# Altium PCB HV Interface.PcbDoc (part 1 of 3) (continued)
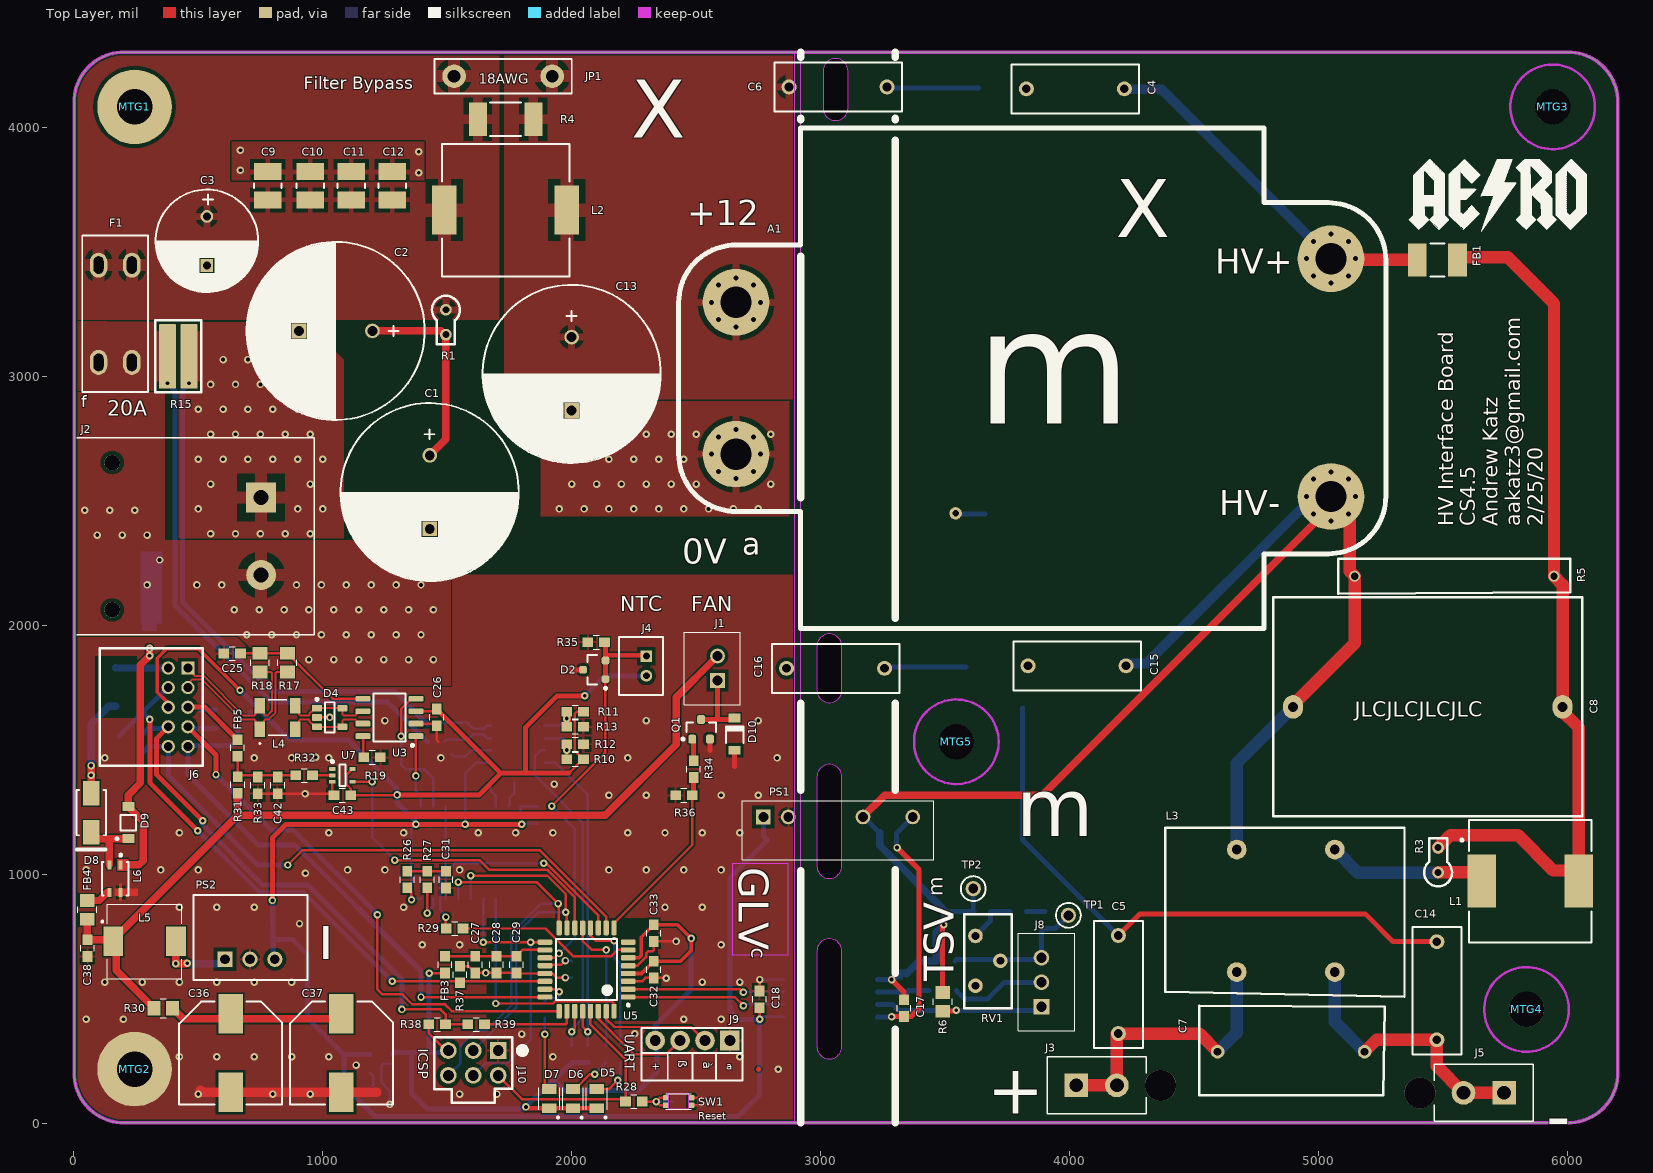
[diagram p0: Top Layer view]
## Classes and differential pairs (continued)
net class D1_Nets: BENDER_PWM BSPD_FAULT CUR_OUT GND
net class UART: UART.RXD UART.TXD
net class U4_Nets: +5 +5_MCU GND NetR23_2 NetU7_3
net class SW1_Nets: GND NetC35_2
net class SPI: SPI.MISO SPI.MOSI SPI.SCK
net class R27_Nets: \CAN_RST \CAN_RST_IN
net class R26_Nets: +5 \CAN_RST
net class R6_Nets: FAULT_HV HV-
net class J9_Nets: +5_MCU GND UART.RXD UART.TXD
net class J10_Nets: +5_MCU \MCURST GND SPI.MISO SPI.MOSI SPI.SCK
net class FB3_Nets: +5_AVCC +5_MCU
net class C31_Nets: \CAN_RST GND
net class C29_Nets: +5_AVCC GND
net class U5_Nets: +5_AVCC +5_MCU \CAN_INT \CANCS \LED1 \LED2 \LED3 \MCURST AREF BENDER_STAT BSPD_FAULT CUR_OUT DCDC_EN DCDC_FLT EXT_NTC_N FAN1_PWM FAN2_PWM GND I2C.SCL I2C.SDA MCUCLK NetU5_1 NetU5_2 NetU5_3 NetU5_4 NetU5_5 NetU5_6 NetU5_7 NetU5_8 NetU5_9 NetU5_10 NetU5_11 NetU5_12 NetU5_13 NetU5_14 NetU5_15 NetU5_16 NetU5_17 NetU5_18 NetU5_19 NetU5_20 NetU5_21 NetU5_22 NetU5_23 NetU5_24 NetU5_25 NetU5_26 NetU5_27 NetU5_28 NetU5_29 NetU5_30 NetU5_31 NetU5_32 SPI.MISO SPI.MOSI SPI.SCK TS_DET UART.RXD UART.TXD VICOR_NTC
net class U1_Nets: +3.3_HV +5 DCDC_EN DCDC_FLT EN_HV FAULT_HV GND HV-
net class I2C: I2C.SCL I2C.SDA
net class F2_Nets: FUSED IN+
net class C38_Nets: +12 GND
net class D8_Nets: D+ FUSED
net class C36_Nets: 12V_CAP GND
component class "U_Current Sense": C23 C24 R10 R11 R12 R13 R14 R15 R16 U2
differential pair class CAN: CAN CAN_IC
net class Y1_Nets: GND OSC1 OSC2
net class U6_Nets: +5 \CAN_INT \CAN_RST_IN \CANCS CLKOUT GND NetU5_1 NetU5_2 NetU5_4 NetU5_5 NetU5_6 NetU5_9 NetU5_10 NetU5_11 NetU5_12 NetU5_13 NetU5_14 NetU5_15 NetU5_16 NetU5_17 NetU5_18 OSC1 OSC2 RX SPI.MISO SPI.MOSI SPI.SCK TX
net class U3_Nets: +5 CAN_IC_N CAN_IC_P GND NetR19_2 RX SPLIT TX
net class U2_Nets: +5 A0 A1 CUR_N CUR_P GND I2C.SCL I2C.SDA
net class R30_Nets: 12V_CAP +12
net class R15_Nets: +DCDC_OUT DCDC_OUT+
net class L4_Nets: CAN_IC_N CAN_IC_P CAN_N CAN_P
net class C25_Nets: GND SPLIT
net class C20_Nets: +3.3_HV HV-
net class C6_Nets: BASE VICOR_OUT
component class U_PWR_DIST: C36 C37 C38 C39 C40 C41 D8 D9 F2 FB4 L5 L6 PS2 R30
component class U_MCU: C27 C28 C29 C30 C31 C32 C33 C34 C35 D5 D6 D7 FB3 J9 J10 R20 R21 R22 R23 R24 R25 R26 R27 R28 R29 SW1 U4 U5 U6 Y1
component class U_CAN: C25 C26 D4 L4 R17 R18 R19 U3
net class FB2_Nets: EN_FB EN_HV
net class C9_Nets: FILT PGND
net class R17_Nets: CAN_P SPLIT
net class L3_Nets: HV+_CMC HV- HV_IN+ HV_IN-
net class J8_Nets: EN_FB FAULT_HV TRIM
net class C12_Nets: FILT PGND
net class C15_Nets: BASE HV-
net class C4_Nets: BASE HV+
net class C14_Nets: BASE HV_IN-
net class C5_Nets: BASE HV_IN+
net class A1_Nets: BASE HV+ HV- PGND VICOR_OUT
component class U_DCDC: A1 C1 C2 C3 C4 C5 C6 C7 C8 C9 C10 C11 C12 C13 C14 C15 C16 C17 C18 C19 C20 C21 C22 F1 FB1 FB2 J8 JP1 L1 L2 L3 PS1 R1 R2 R3 R4 R5 R6 R7 R8 R9 RV1 TP1 TP2 U1
net class R18_Nets: CAN_N SPLIT
net class C19_Nets: HV- TRIM
net class R3_Nets: HV+_CMC HV+_FIL
net class PS2_Nets: +5 GND NetC39_2
net class L1_Nets: HV+_CMC HV+_FIL
net class J5_Nets: HV_IN-
net class J3_Nets: HV_IN+
net class FB4_Nets: +12 L+
net class F1_Nets: DCDC_OUT+ FILT
net class C7_Nets: HV_IN+ HV_IN-
net class C22_Nets: EN_HV HV-
net class R21_Nets: \LED2 \LED2_RES
component class Top: D1 D2 D3 J1 J2 J3 J4 J5 J6 MTG1 MTG2 MTG3 MTG4 MTG5 NT1
differential pair CUR: +CUR_P -CUR_N
differential pair CAN: +CAN_P -CAN_N
differential pair CAN_IC: +CAN_IC_P -CAN_IC_N

## Components (designator, comment, footprint, x,y, rotation, side; value= is the part's Value field where it differs from the comment)
A1 "VicorASM" VICOR_SOCKET_BUILT 2430,1990 r0 top locked
C1 "URS1E472MHD" NICH_18X25 1430,2390 r90 top value=0.0047
C2 "URS1E472MHD" NICH_18X25 904.72,3185 r0 top value=0.0047
C3 "UVR1E471MPD1TD" NICHICON_10X12.5 535,3448.15 r90 top
C4 "B32021A3222K000" B32021A3222K000 4023.15,4157.5 r180 top
C5 "B32021A3222K000" B32021A3222K000 4195.79,560 r90 top
C6 "B32021A3222K000" B32021A3222K000 3070,4165 r0 top
C7 "B32922C3334M000" B32922C3334M000 5185,290 r180 top
C8 "B32774D4226K000" B32774D 5438.66,1675 r0 top
C9 "CAP 1210 4.7UF 100V 20% X7S" 1210_CAP_115H 780,3768 r270 top value=4.7u
C10 "CAP 1210 4.7UF 100V 20% X7S" 1210_CAP_115H 950,3768 r270 top value=4.7UF
C11 "CAP 1210 4.7UF 100V 20% X7S" 1210_CAP_115H 1115,3768 r270 top value=4.7UF
C12 "CAP 1210 4.7UF 100V 20% X7S" 1210_CAP_115H 1280,3768 r270 top value=4.7UF
C13 "UHE1H102MHD3" Nichicon_18x20 2000,2865 r90 top value=1m
C14 "B32021A3222K000" B32021A3222K000 5475,535 r270 top
C15 "B32021A3222K000" B32021A3222K000 4030,1840 r0 top
C16 "B32021A3222K000" B32021A3222K000 3060,1830 r180 top
C17 "CAP 0603 0.047UF 25V 10% X7R" 0603_CAP 3335,465 r270 top value=0.047UF
C18 "CAP 0603 0.047UF 25V 10% X7R" 0603_CAP 2755,500 r270 top value=0.047UF
C19 "CAP 0805 0.1UF 100V 10% X7R" 0805_CAP 3502,653.43 r180 bottom value=0.1UF
C20 "CAP 0603 10UF 16V 20% X5R" 0603_CAP 3270,1170 r0 bottom value=10UF
C21 "CAP 0603 4.7UF 35V 10% X5R" 0603_CAP 2820,1140 r180 bottom value=4.7UF
C22 "CAP 0805 0.1UF 100V 10% X7R" 0805_CAP 3345,565 r90 bottom value=0.1UF
C23 "CAP 0603 0.1UF 10V 10% X7R" 0603_CAP 1584.37,1577.07 r90 bottom value=0.1UF
C24 "CAP 0603 0.1UF 16V 10% X7R" 0603_CAP 1574.37,1443.19 r90 bottom value=0.1UF
C25 "CAP 0603 4700PF 50V 10% X7R" 0603_CAP 636.54,1890 r0 top value=4700PF
C26 "CAP 0603 0.1UF 50V 10% X7R" 0603_CAP 1458.46,1632.6 r90 top value=0.1UF
C27 "CAP 0603 1UF 50V 10% X7R" 0603_CAP 1613,640 r90 top value=1UF
C28 "CAP 0603 0.1UF 25V 10% X7R" 0603_CAP 1698,640 r90 top value=0.1UF
C29 "CAP 0603 0.01UF 100V 10% X7R" 0603_CAP 1778,640 r90 top value=0.01UF
C30 "CAP 0603 0.1UF 25V 10% X7R" 0603_CAP 2000,620 r90 bottom value=0.1UF
C31 "CAP 0603 0.01UF 16V 10% X7R" 0603_CAP 1495,981.54 r90 top value=0.01UF
C32 "CAP 0603 0.1UF 25V 10% X7R" 0603_CAP 2330,620 r270 top value=0.1UF
C33 "CAP 0603 0.1UF 25V 10% X7R" 0603_CAP 2330,766.54 r270 top value=0.1UF
C34 "CAP 0603 0.1UF 50V 10% X7R" 0603_CAP 1863.11,1239.61 r270 bottom value=0.1UF
C35 "CAP 0603 1UF 50V 10% X7R" 0603_CAP 2439.55,90 r180 bottom value=1UF
C36 "UUD1V331MNL1GS" NIC-CAPA2-10X10_V 630,285 r270 top
C37 "UUD1V331MNL1GS" NIC-CAPA2-10X10_V 1075,285 r270 top
C38 "CAP 0603 10UF 25V 20% X5R" 0603_CAP 55,705.91 r90 top value=10UF
C39 "CAP 0603 2.2UF 35V 10% X5R" 0603_CAP 531,684 r270 bottom value=2.2UF
C40 "CAP 0603 10UF 25V 20% X5R" 0603_CAP 765,810 r0 bottom value=10UF
C41 "CAP 0603 0.1UF 16V 10% X7R" 0603_CAP 765,740 r0 bottom value=0.1UF
C42 "CAP 0603 0.01UF 25V 10% X7R" 0603_CAP 819.43,1360 r90 top value=0.01UF
C43 "CAP 0603 0.1UF 16V 10% X7R" 0603_CAP 1079.43,1320 r180 top value=0.1UF
D1 "SP0503BAHTG" Littelfuse_SP0503BAHTG_0 615,1625 r270 bottom
D2 "SP0502BAHTG" "TO-236 SOT23" 2090.91,1824.07 r180 top
D3 "SP0503BAHTG" Littelfuse_SP0503BAHTG_0 225,1520 r90 bottom
D4 "SP0504BAHTG" SOT23127P600-8N 1028.46,1632.6 r0 top
D5 "SM0805GCL" LEDC2012X135N_SM0805GCL(Primary) 2101.04,101.63 r90 top
D6 "SM0805YCL" LEDC2012X135N_SM0805YCL(Primary) 2005.33,101.63 r90 top
D7 "SM0805HCL" LEDC2012X135N_SM0805HCL(Primary) 1910,101.63 r90 top
D8 "B340A-13-F" DIOD-SMA-2_V 70,1250 r270 top
D9 "SZMMSZ5243BT1G" ONSC-SOD-123-2-425-04_V 219.46,1210 r90 top
D10 "1N4148W-TP" MCC-SOD123_V 2655,1565.31 r90 top
F1 "3568" Keystone_3568_0 166.93,3253.84 r270 top value=0.00321
F2 "500 mA PTC" 1812RF 170,1755 r270 bottom
FB1 "FBMH4532HM681-T" 1812_FB 5476.77,3470 r180 top
FB2 "Ferrite Chip 50 Ohms" 1206 3490,535.13 r0 bottom
FB3 "Ferrite Chip 2500 Ohms" 0603 1491.5,640 r90 top
FB4 "Ferrite Chip 1500 Ohms" 0805 55,860 r270 top
FB5 "Ferrite Chip 2500 Ohms" 0603 658.31,1510.12 r270 top
J1 "B2B-XH-A(LF)(SN)" B2B-XH-A(LF)(SN) 2565,1830 r90 top
J2 "DF22-2P-7.92DS(35)" CON2-1X2_RZ_DF22 753,2360.5 r90 top
J3 "1-770872-0" CON2_1X2_P163_VM 4027.01,155 r0 top value=Value
J4 "B2B-PH-K-S(LF)(SN)" JST_Sales_America_Inc._B2B-PH-K-S_LF_SN_0 2278.35,1839.37 r180 top
J5 "1-770872-0" CON2_1X2_P163_VM 5745,125 r180 top value=Value
J6 "S10B-PHDSS(LF)(SN)" S10B-PHDSS 458.74,1831.22 r90 top
J8 "B3B-XH-A(LF)(SN)" B3B-XH-A(LF)(SN) 3887,470.57 r90 top
J9 "Con_1x4_UART" "Con 1x4 UART" 2635.63,335 r270 top
J10 "CON_2x3_ICSP" CON_2x3_ICSP 1605,245 r180 top
JP1 "18AWG Link" 18AWG_1CM_LINK 1528,4208 r0 top
L1 "7447709100" WE-PD-XXL 5850,975 r0 top
L2 "744309033" "WE-HCM 1390" 1735,3670 r180 top
L3 "B82722J2302N001" B82722J 5065,610 r90 top
L4 "SRF4532-220Y" IND_BOURNS_SRF45 818.46,1632.6 r90 top
L5 "B1047AS-5R6N=P3" B1047AS-5R6N=P3 285,733 r0 top
L6 "ACP3225-102-2P-T000" TDK-ACP3225-102-2P-T000-4_V 166.31,985 r270 top
MTG1 "PCB MTG M3" MTG-M3 245,4085 r0 top
MTG2 "PCB MTG M3" MTG-M3 245,220 r0 top
MTG3 "PCB MTG M3 HV" MTG-M3-HV 5940,4085 r0 top
MTG4 "PCB MTG M3 HV" MTG-M3-HV 5835,460 r0 top
MTG5 "PCB MTG M3 HV" MTG-M3-HV 3545,1535 r0 top
NT1 "NET TIE" 60MIL_TIE 305,1890 r90 bottom net-tie
PS1 "PEM1-S5-S3-S" PEM1-S5-S3-S 3070,1180 r0 top
PS2 "R-78E5.0-1.0" R-78E5.0 710,750 r0 top
Q1 "DMN3404L-7" SOT23-FET-DI 2520,1585 r90 top
R1 "RR01J2R0TB" RR01_VERT 1495,3270 r270 top value=0
R2 "RES 0603 10M 1%" 0603_RES 1495,3045 r90 bottom value=10meg
R3 "RR01JR75TB" RR01_VERT 5480,1010 r90 top
R4 "WSLT2512R2500FEB" WSLT2512 1735,4035 r180 top
R5 "MHR0422SA107F70" mur_MHR0422SA107F70 5098.54,2200 r0 top value=100M
R6 "RES 0805 50.5 0.1%" 0805_RES 3490,490.13 r270 top value=50.5
R7 "RES 0603 12.4K 0.1%" 0603_RES 3900,818.54 r270 bottom value=12.4K
R8 "RES 0603 28K 0.1%" 0603_RES 3793.5,853 r0 bottom value=28K
R9 "RES 0603 29.4K 0.1%" 0603_RES 3649,853 r0 bottom value=29.4K
R10 "RES 0603 0 5%" 0603_RES 2014.37,1465 r0 top value=0
R11 "RES 0603 0 5%" 0603_RES 2014.37,1655 r0 top value=0
R12 "RES 0603 0 5%" 0603_RES 2014.37,1525 r180 top value=0
R13 "RES 0603 0 5%" 0603_RES 2014.37,1595 r180 top value=0
R14 "RES 0603 10 1%" 0603_RES 1454.37,1605 r0 bottom value=10
R15 "KRL6432E-M-R003-F-T1" RES_6432-M 420,3082.87 r0 top
R16 "RES 0603 10 1%" 0603_RES 1454.37,1535 r0 bottom value=10
R17 "RES 0805 60.4 1%" 0805_RES 858.46,1852.6 r270 top value=60.4
R18 "RES 0805 60.4 1%" 0805_RES 748.46,1852.6 r90 top value=60.4
R19 "RES 0603 10K 1%" 0603_RES 1198.46,1472.6 r180 top value=10K
R20 "RES 0603 1.5K 1%" 0603_RES 2195.63,280 r90 bottom value=1.5K
R21 "RES 0603 1.5K 1%" 0603_RES 2138.74,280 r90 bottom value=1.5K
R22 "RES 0603 1.5K 1%" 0603_RES 1892.68,460.88 r90 bottom value=1.5K
R23 "RES 0603 10K 1%" 0603_RES 1235.59,132.4 r180 bottom value=10K
R24 "RES 0603 2.2K 1%" 0603_RES 2000,280 r270 bottom value=2.2K
R25 "RES 0603 2.2K 1%" 0603_RES 2065,280.63 r270 bottom value=2.2K
R26 "RES 0603 100K 1%" 0603_RES 1340,981.54 r270 top value=100K
R27 "RES 0603 1K 1%" 0603_RES 1420,981.54 r90 top value=1K
R28 "RES 0603 10K 1%" 0603_RES 2250,90 r0 top value=10K
R29 "RES 0603 0 5%" 0603_RES 1530,785 r0 top value=0
R30 "RES 0805 2 1%" 0805_RES 360,465 r0 top value=2
R31 "RES 0603 11.5K 1%" 0603_RES 659.43,1361.5 r270 top value=11.5K
R32 "RES 0603 6.98K 1%" 0603_RES 925.96,1400 r180 top value=6.98K
R33 "RES 0603 11.5K 1%" 0603_RES 739.43,1360 r90 top value=11.5K
R34 "RES 0603 1K 1%" 0603_RES 2490,1425 r90 top value=1K
R35 "RES 0603 10K 0.1%" 0603_RES 2098.46,1935 r180 top value=10K
R36 "RES 0603 10K 1%" 0603_RES 2451.1,1320 r0 top value=10K
R37 "RES 0603 10K 0.1%" 0603_RES 1551.46,600 r90 top value=10K
R38 "RES 0603 10K 1%" 0603_RES 1460,400 r180 top value=10K
R39 "RES 0603 0 5%" 0603_RES 1616.46,400 r0 top value=0
RV1 "3299X-1-503LF" 3296Z 3622,755 r270 top
SW1 "EVP-BB2A9B000" EVP-BB2A9B000 2429.55,90 r180 top
TP1 "5002" KSTN-5002 3995,838 r0 top
TP2 "5001" KSTN-5001 3613,945 r0 top
U1 "ADUM226N0BRIZ" ADUM226N0BRIZ 3040,505 r0 bottom value=Value
U2 "INA219AIDR" D0008A_N 1784.37,1525 r180 bottom
U3 "MCP2561-E/SN" Microchip_C04-2057A_0 1268.46,1632.6 r180 top
U4 "STMPS2141STR" SOT95P280X145-5N 1235.59,242.4 r180 bottom
U5 "ATMEGA328P-AUR" TQFP80P900X900X120-32N 2060,620 r180 top
U6 "MCP2515T-I/SO" SOIC-18 1595,1090 r270 bottom
U7 "SN74LVC1G17DCKR" DCK0005A_L 1079.43,1400 r0 top
Y1 "CSTNE16M0V530000R0" MURA-CSTCE_G_A-3_V 1722.19,1370 r0 bottom

## Footprints (in the part's own frame and the unit in brackets; to place one, negate y for a bottom-side part, rotate by r counter-clockwise, add the part's x,y. Pads: shape width x height; smd on the part's side, far side on the other; paste and mask are expansions set on the pad)
18AWG_1CM_LINK [mm]
  round 2.4 hole 1.3: 1(0,0) 2(10,0)
  silkscreen extent -2,-1.75 12,1.75, body extent -0.51,-0.63 10.51,0.63, height 1.67
60MIL_TIE [mil]
  rect 60x60 smd paste-1000 mask+4: 1(0,0)
  rect 120x60 smd paste-1000 mask+4: 2(120,0)
0603 [mil] "Body 1.6 x 0.8 mm (LxW typ)"
  rect 43x39 smd: 1(-33.5,0) 2(33.5,0)
  silkscreen extent -12,-27 12,27, body extent -34,-19 34,19, height 38
0603_CAP [mm]
  rect 1.1x1 smd: 1(-0.85,0) 2(0.85,0)
  silkscreen extent -0.3,-0.7 0.3,0.7, body extent -0.8,-0.43 0.8,0.43, height 0.95
0603_RES [mil]
  rect 43x39 smd: 1(-33.46,0) 2(33.46,0)
  silkscreen extent -12,-28 12,28, body extent -32,-19 32,19, height 34
0805 [mm] "Body 2.0 x 1.2 mm (LxW typ)"
  rect 1.3x1.5 smd: 1(-0.95,0) 2(0.95,0)
  silkscreen extent -0.3,-0.97 0.3,0.97, body extent -1.15,-0.72 1.15,0.72, height 1.1
0805_CAP [mm]
  rect 1.3x1.5 smd: 1(-0.95,0) 2(0.95,0)
  silkscreen extent -0.3,-0.97 0.3,0.97, body extent -1,-0.65 1,0.66, height 1.52
0805_RES [mm]
  rect 1.3x1.5 smd: 1(-0.95,0) 2(0.95,0)
  silkscreen extent -0.3,-0.97 0.3,0.97, body extent -1.09,-0.7 1.09,0.7, height 1.1
1206 [mm] "Body 3.2 x 1.6 mm (LxW typ)"
  rect 1.6x1.8 smd: 1(-1.4,0) 2(1.4,0)
  silkscreen extent -0.3,-0.88 0.3,0.88, body extent -1.65,-0.88 1.65,0.88, height 1.35
1210_CAP_115H [mil]
  rect 68x110 smd: 1(-57,0) 2(57,0)
  silkscreen extent -10,-55 10,55, body extent -71,-55 69,55, height 115
1812_FB [mm] "Body 4.5 x 3.2 mm (LxW typ)"
  rect 1.9x3.4 smd: 1(-2.057,0) 2(2.057,0)
  silkscreen extent -0.71,-1.7 0.71,1.7, body extent -2.25,-1.6 2.25,1.6, height 3.5
1812RF [mm] "Body 4.5 x 3.2 mm (LxW typ)"
  rect 1.9x3.4 smd: 1(-1.95,0) 2(1.95,0)
  silkscreen extent -0.66,-1.7 0.66,1.7, body extent -2.36,-1.75 2.37,1.73, height 1.09
3296Z [mm]
  round 1.49 hole 0.79: 1(0,0) 2(2.54,2.54) 3(5.08,0)
  silkscreen extent -2.22,-1.14 7.37,3.68, body extent -2.22,-1.14 8.83,3.68, height 10.16
ADUM226N0BRIZ [mil]
  rrect50% 65.4x23.5 smd: 1(-188.19,75) 2(-188.19,25) 3(-188.19,-25) 4(-188.19,-75) 5(188.19,-75) 6(188.19,-25) 7(188.19,25) 8(188.19,75)
  silkscreen extent -201,-120 153,131, body extent -202,-115 212,115, height 104
B2B-XH-A(LF)(SN) [mm]
  rect 1.508x1.508 hole 1: 1(-1.25,-0.525)
  round 1.508 hole 1: 2(1.25,-0.525)
  silkscreen extent -3.7,-2.88 3.7,2.88, body extent -3.7,-2.87 3.7,2.88, height 7
B3B-XH-A(LF)(SN) [mm]
  rect 1.59x1.59 hole 1.06 paste-25.4: 1(0,0)
  round 1.59 hole 1.06 paste-25.4: 2(2.5,0) 3(5,0)
  silkscreen extent -2.45,-3.4 7.5,2.35, body extent -2.45,-3.38 7.45,2.38, height 7
B1047AS-5R6N=P3 [mm]
  rect 2x3 smd: 1(-3.2,0) 2(3.2,0)
  silkscreen extent -4.42,-3.8 3.8,3.8, body extent -3.8,-3.8 3.8,3.8, height 5
B32021A3222K000 [mil]
  round 60 hole 35: 1(-196.85,0) 2(196.85,0)
  silkscreen extent -256,-98 256,98, body extent -256,-98 256,98, height 359
B32774D [mil]
  oval 80x95 hole 39.37: 1(-541.34,0) 2(541.34,0)
  silkscreen extent -620,-440 620,440, body extent -620,-433 620,433, height 1437
B32922C3334M000 [mm]
  round 1.4 hole 0.8: 1(0,0) 2(15,0)
  silkscreen extent -2.03,-4.7 16.89,4.45, body extent -1.5,-4 16.5,4, height 14
B82722J [mm]
  round 2 hole 1: 1(0,0) 2(0,10) 3(12.5,10) 4(12.5,0)
  silkscreen extent -2.54,-7.11 14.73,17.27, body extent -1.47,-6.52 14.02,16.48, height 25
CON2-1X2_RZ_DF22 [mil]
  rect 120x120 hole 60: 1(155.91,0)
  round 120 hole 60: 2(-155.91,0)
  round 63 hole 63 unplated: M1(295.5,598) M2(-295.5,598)
  silkscreen extent -395,-214 395,741, body extent -389,-209 391,950, height 505
CON2_1X2_P163_VM [mil]
  rect 95x95 hole 55: 1(0,0)
  round 95 hole 55: 2(162.99,0)
  round 125 hole 125 unplated mask+6.5: 3(338,0)
  silkscreen extent -117,-115 280,115, body extent -260,-140 380,150, height 1130
"Con 1x4 UART" [mm]
  rect 2x2 hole 1.105: 1(0,0)
  round 2 hole 1.105: 2(0,-2.54) 3(0,-5.08) 4(0,-7.62)
  silkscreen extent -1.27,-9.02 4.06,1.27, body extent -1.27,-8.89 1.27,1.27, height 17.78
CON_2x3_ICSP [mm]
  rect 1.7x1.7 hole 1.1 paste-1000: 1(-2.54,-1.27)
  round 1.7 hole 1.1 paste-1000: 2(-2.54,1.27) 3(0,-1.27) 4(0,1.27) 5(2.54,-1.27) 6(2.54,1.27)
  silkscreen extent -5.28,-2.62 3.96,4.06, body extent -6.07,-2.95 6.01,4.05, height 12.67
D0008A_N [mm] "SOIC, 8-Leads, Body 5x4mm, Pitch 1.27mm, IPC Medium Density"
  rrect17% 1.45x0.6 smd: 1(-2.725,1.905) 2(-2.725,0.635) 3(-2.725,-0.635) 4(-2.725,-1.905) 5(2.725,-1.905) 6(2.725,-0.635) 7(2.725,0.635) 8(2.725,1.905)
  silkscreen extent -2.85,-2.5 1.6,2.88, body extent -3,-2.45 3,2.45, height 1.63
DCK0005A_L [mm] "SOT23, 5-Leads, Body 2.15x1.4mm, Pitch 0.65mm, IPC High Density"
  rrect25% 0.65x0.4 smd: 1(-1.025,0.65) 2(-1.025,0) 3(-1.025,-0.65) 4(1.025,-0.65) 5(1.025,0.65)
  silkscreen extent -1.15,-1.1 0.3,1.52, body extent -1.14,-1 1.14,1, height 0.94
DIOD-SMA-2_V [mm] "Molded Diode, 2-Leads, Body 4.6x2.92mm"
  rect 2.5x1.7 smd: 1(-2,0) 2(2,0)
  silkscreen extent -2.3,-1.5 3.75,1.5, body extent -2.52,-1.46 2.52,1.46, height 2.4
EVP-BB2A9B000 [mm]
  rrect25% 0.55x0.55 smd paste-0.05 mask+0.051: A(-1.325,-0.375) A(-1.325,0.375) B(1.325,-0.375) B(1.325,0.375)
  Keep-Out Layer region: 1.016,-0.84 -0.986,-0.84 -0.986,0.762 1.016,0.762
  silkscreen extent -1.3,-0.8 1.3,0.8, body extent -1.5,-0.9 1.5,0.9, height 0.54
IND_BOURNS_SRF45 [mil]
  rect 63x43 smd: 1(-47.5,71) 2(-47.5,-71) 3(47.5,-71) 4(47.5,71)
  silkscreen extent -108,-36 72,74, body extent -63,-89 63,88, height 110
JST_Sales_America_Inc._B2B-PH-K-S_LF_SN_0 [mm]
  rect 1.2x1.2 hole 0.7 paste-1000: 1(-0.55,-1)
  round 1.2 hole 0.7 paste-1000: 2(-0.55,1)
  silkscreen extent -2.25,-2.95 2.25,2.95, body extent -2.25,-2.95 2.25,2.95, height 6
Keystone_3568_0 [mil]
  oval 100x70 hole 40 slot 70 at 0 deg paste-39370.1: 1(-195.28,66.93) 2(195.28,66.93) 3(-195.28,-66.93) 4(195.28,-66.93)
  silkscreen extent -315,-132 315,132, body extent -315,-133 315,132, height 688
KSTN-5001 [mm] "Test Point, Through Hole, Dia 2.54mm"
  round 1.55 hole 1.016: 1(0,0)
  silkscreen extent -1.27,-1.27 1.27,1.27, body extent -1.25,-1.25 1.25,1.25, height 4.62
KSTN-5002 [mm] "Test Point, Through Hole, Dia 2.54mm"
  round 1.55 hole 1.016: 1(0,0)
  silkscreen extent -1.27,-1.27 1.27,1.27, body extent -1.24,-1.24 1.25,1.25, height 4.62
LEDC2012X135N_SM0805GCL(Primary) [mm]
  rect 1.01x1.47 smd: A(-0.98,0) C(0.98,0)
  silkscreen extent -2.03,-1.05 1.13,1.05, body extent -1,-0.62 1,0.62, height 1.12
LEDC2012X135N_SM0805HCL(Primary) [mm]
  rect 1.01x1.47 smd: A(-0.98,0) C(0.98,0)
  silkscreen extent -2.03,-1.05 1.13,1.05, body extent -1,-0.62 1,0.62, height 1.12
LEDC2012X135N_SM0805YCL(Primary) [mm]
  rect 1.01x1.47 smd: A(-0.98,0) C(0.98,0)
  silkscreen extent -2.03,-1.05 1.13,1.05, body extent -1,-0.62 1,0.62, height 1.12
Littelfuse_SP0503BAHTG_0 [mm]
  rect 1.1x1.3 smd paste+0: 1(-0.75,-1.1)
  rect 0.9x1.3 smd paste+0: 2(0.95,-1.1) 3(0.95,1.1) 4(-0.95,1.1)
  silkscreen extent -1.78,-2.48 1.78,0.5, body extent -1.45,-1.18 1.45,1.18, height 1.22
MCC-SOD123_V [mil] "SOD123, 2-Leads, Body 2.7x1.6mm, Height 1.35mm"
  rect 35.98x47.99 smd: 1(-64.5,0) 2(64.5,0)
  silkscreen extent -36,-35 31,35, body extent -53,-31 53,31, height 53
Microchip_C04-2057A_0 [mm]
  rrect50% 1.55x0.6 smd: 1(-2.7,1.905) 2(-2.7,0.635) 3(-2.7,-0.635) 4(-2.7,-1.905) 5(2.7,-1.905) 6(2.7,-0.635) 7(2.7,0.635) 8(2.7,1.905)
  silkscreen extent -2.46,-2.45 1.63,2.97, body extent -3,-2.45 3,2.45, height 1.43
MTG-M3 [mil]
  round 300 hole 142: 1(0,0)
MTG-M3-HV [mil]
  round 140 hole 142 unplated mask+79: 1(0,0)
  Keep-Out Layer circle w10: c0,0 r170
mur_MHR0422SA107F70 [mil]
  round 45 hole 30: 1(46.46,0) 2(846.85,0)
  silkscreen extent -20,-71 913,70, body extent 0,-49 894,49, height 208
MURA-CSTCE_G_A-3_V [mm] "SMD, 3-Leads, Body 3.2x1.3mm, Pitch 1.2mm"
  rrect50% 0.4x2 smd: 1(-1.2,0) 2(0,0) 3(1.2,0)
  silkscreen extent -2.07,-0.12 -1.83,0.12, body extent -1.6,-0.65 1.6,0.65, height 0.7
NIC-CAPA2-10X10_V [mm] "Aluminum Electrolytic Capacitor, Diameter 10mm, Height 10.8mm, Pitch 8mm"
  rect 4x2.5 smd: 1(-4,0) 2(4,0)
  silkscreen extent -5.25,-5.25 5.25,5.25, body extent -5.45,-5.15 5.45,5.15, height 9.95
NICH_18X25 [mm]
  round 1.5 hole 1: 1(7.5,0)
  rect 1.5x1.5 hole 1: 2(0,0)
  silkscreen extent -5.33,-9.08 12.83,9.08, body extent -5.25,-9 12.75,9, height 25.1
NICHICON_10X12.5 [mm]
  round 1.3 hole 0.8: 1(5,0)
  rect 1.3x1.3 hole 0.8: 2(0,0)
  silkscreen extent -2.75,-5.3 7.73,5.23, body extent -2.5,-5 7.5,5, height 12.6
Nichicon_18x20 [mm]
  round 1.5 hole 1: 1(7.5,0)
  rect 1.5x1.5 hole 1: 2(0,0)
  silkscreen extent -5.33,-9.08 12.83,9.08, body extent -5.25,-9 12.75,9, height 20.04
ONSC-SOD-123-2-425-04_V [mm] "SOD, 2-Leads, Body 2.69x1.6mm"
  rect 0.91x1.22 smd: 1(-1.635,0) 2(1.635,0)
  silkscreen extent -1.76,-0.8 0.78,1.28, body extent -1.35,-0.8 1.35,0.8, height 1.35
PEM1-S5-S3-S [mm]
  rect 1.508x1.508 hole 1: 1(-7.62,1.35)
  round 1.508 hole 1: 2(-5.08,1.35) 5(2.54,1.35) 7(7.62,1.35)
  silkscreen extent -9.75,-3 9.75,3, body extent -9.75,-3 9.75,3, height 9.2
R-78E5.0 [mm]
  rect 1.55x1.55 hole 1 paste-1000: 1(-2.59,-2.25)
  round 1.55 hole 1 paste-1000: 2(-0.05,-2.25) 3(2.49,-2.25)
  silkscreen extent -5.8,-4.34 5.8,4.32, body extent -5.8,-4.25 5.8,4.25, height 10.46
RES_6432-M [mil]
  rrect10% 67.12x259.91 smd paste+0 mask+2: 1(-43.4,0) 2(43.4,0)
  silkscreen extent -92,-145 92,145, body extent -65,-128 65,128, height 28
RR01_VERT [mm]
  round 1.2 hole 0.7: 1(0,0) 2(2.54,0)
  silkscreen extent -1.42,-1.42 3.5,1.42, body extent -1.3,-1.3 2.97,1.3, height 10.27
S10B-PHDSS [mm]
  rect 1.35x1.35 hole 0.9: 1(0,0)
  round 1.35 hole 0.9: 2(0,2) 3(-2,0) 4(-2,2) 5(-4,0) 6(-4,2) 7(-6,0) 8(-6,2) 9(-8,0) 10(-8,2)
  silkscreen extent -9.95,-1.5 2,9, body extent -9.95,-0.5 1.95,9, height 5
SOIC-18 [mm] "SOIC, 18-Leads, Body 11.55x7.50mm, Pitch 1.27mm, IPC Medium Density"
  rrect50% 1.9x0.6 smd: 1(-4.7,5.08) 2(-4.7,3.81) 3(-4.7,2.54) 4(-4.7,1.27) 5(-4.7,0) 6(-4.7,-1.27) 7(-4.7,-2.54) 8(-4.7,-3.81) 9(-4.7,-5.08) 10(4.7,-5.08) 11(4.7,-3.81) 12(4.7,-2.54) 13(4.7,-1.27) 14(4.7,0) 15(4.7,1.27) 16(4.7,2.54) 17(4.7,3.81) 18(4.7,5.08)
  silkscreen extent -4.82,-5.8 3.4,6.05, body extent -5.15,-5.8 5.15,5.8, height 2.65
SOT23-FET-DI [mm] "SOT23, 3-Leads, Body 2.90x2.40mm, Pitch 0.90mm, IPC Medium Density"
  rrect50% 0.9x0.8 smd: 1(-1,0.9) 2(-1,-0.9) 3(1,0)
  silkscreen extent -1.12,-1.5 0.7,1.97, body extent -1.25,-1.5 1.25,1.5, height 1.1
SOT95P280X145-5N [mm] "SOT23, 5-Leads, Body 2.90x2.80mm, Pitch 0.95mm, IPC Medium Density"
  rrect50% 1.2x0.6 smd: 1(-1.15,0.95) 2(-1.15,0) 3(-1.15,-0.95) 4(1.15,-0.95) 5(1.15,0.95)
  silkscreen extent -1.28,-1.5 0.3,1.92, body extent -1.6,-1.5 1.6,1.5, height 1.45
SOT23127P600-8N [mm] "JEDEC MO-178"
  rrect25% 0.99x0.69 smd: 1(-1.295,0.95) 2(-1.295,0) 3(-1.295,-0.95) 4(1.295,-0.95) 5(1.295,0.95)
  silkscreen extent -1.42,-1.55 0.5,1.97, body extent -0.88,-1.52 0.87,1.53, height 1.45
TDK-ACP3225-102-2P-T000-4_V [mm] "SMD, 4-Leads, Body 3.4x2.7mm"
  rect 0.9x0.4 smd: 1(-1.4,0.575) 2(-1.4,-0.575) 3(1.4,-0.575) 4(1.4,0.575)
  silkscreen extent -2.52,-1.35 1.7,1.35, body extent -1.6,-1.26 1.6,1.24, height 1.92
"TO-236 SOT23" [mm] "SOT23, 3-Leads, Body 2.92x2.37mm, Pitch 0.95mm, IPC Medium Density"
  rrect50% 0.78x0.78 smd: 1(-1.145,0.95) 2(-1.145,-0.95) 3(1.145,0)
  silkscreen extent -1.27,-1.5 0.7,2.01, body extent -1.47,-1.52 1.47,1.52, height 1.02
TQFP80P900X900X120-32N [mm] "TQFP, 32-Leads, Body 7.00x7.00mm, Pitch 0.80mm, IPC Medium Density"
  rrect50% 1.5x0.55 smd: 1(-4.25,2.8) 2(-4.25,2) 3(-4.25,1.2) 4(-4.25,0.4) 5(-4.25,-0.4) 6(-4.25,-1.2) 7(-4.25,-2) 8(-4.25,-2.8) 17(4.25,-2.8) 18(4.25,-2) 19(4.25,-1.2) 20(4.25,-0.4) 21(4.25,0.4) 22(4.25,1.2) 23(4.25,2) 24(4.25,2.8)
  rrect50% 0.55x1.5 smd: 9(-2.8,-4.25) 10(-2,-4.25) 11(-1.2,-4.25) 12(-0.4,-4.25) 13(0.4,-4.25) 14(1.2,-4.25) 15(2,-4.25) 16(2.8,-4.25) 25(2.8,4.25) 26(2,4.25) 27(1.2,4.25) 28(0.4,4.25) 29(-0.4,4.25) 30(-1.2,4.25) 31(-2,4.25) 32(-2.8,4.25)
  silkscreen extent -4.38,-3.1 3.1,3.75, body extent -4.5,-4.5 4.5,4.5, height 1.2
VICOR_SOCKET_BUILT [mm]
  round 6.8 hole 3.2: 1(66.548,37.719) 2(66.548,13.462) 3(5.842,33.274) 4(5.842,17.78)
  round 1.27 hole 0.686: 5(28.25,11.75)
  silkscreen extent 0,0 72.14,51.05, body extent -0.02,-0.95 84.1,51.18, height 33.89
"WE-HCM 1390" [mm] "SMD Inductor, 2-Leads, Body 12,50x13,00mm"
  rect 2.5x5 smd: 1(-6.25,0) 2(6.25,0)
  silkscreen extent -6.5,-6.75 6.5,6.75, body extent -7,-6.5 7,6.5, height 8.98
WE-PD-XXL [mm] "SMD Inductor, 2-Leads, Body 12.0 x 12.0 mm"
  rect 2.9x5.4 smd: 1(-4.95,0) 2(4.95,0)
  silkscreen extent -7.11,-6.25 6.25,6.25, body extent -6,-6 6,6, height 9.51
WSLT2512 [mil]
  rect 73x134 smd: 1(-111.5,0) 2(111.5,0)
  silkscreen extent -62,-67 62,67, body extent -125,-62 125,63, height 25

## Part data
A1: library part VicorASM_ALT, "DCM4623TD2J13D0T70 PCB Assembly / Keystone 240 for BASE (also order KSTN241) / Do a full subassembly bom check", ComponentLink1Description=Datasheet, ComponentLink1URL=http://www.vicorpower.com/documents/datasheets/DCM4623xD2J13D0y7z_ds.pdf, VicorPN=DCM4623TD2J13D0T70